# Allegro board FH8858v310_app_board_v1.1.brd (continued)
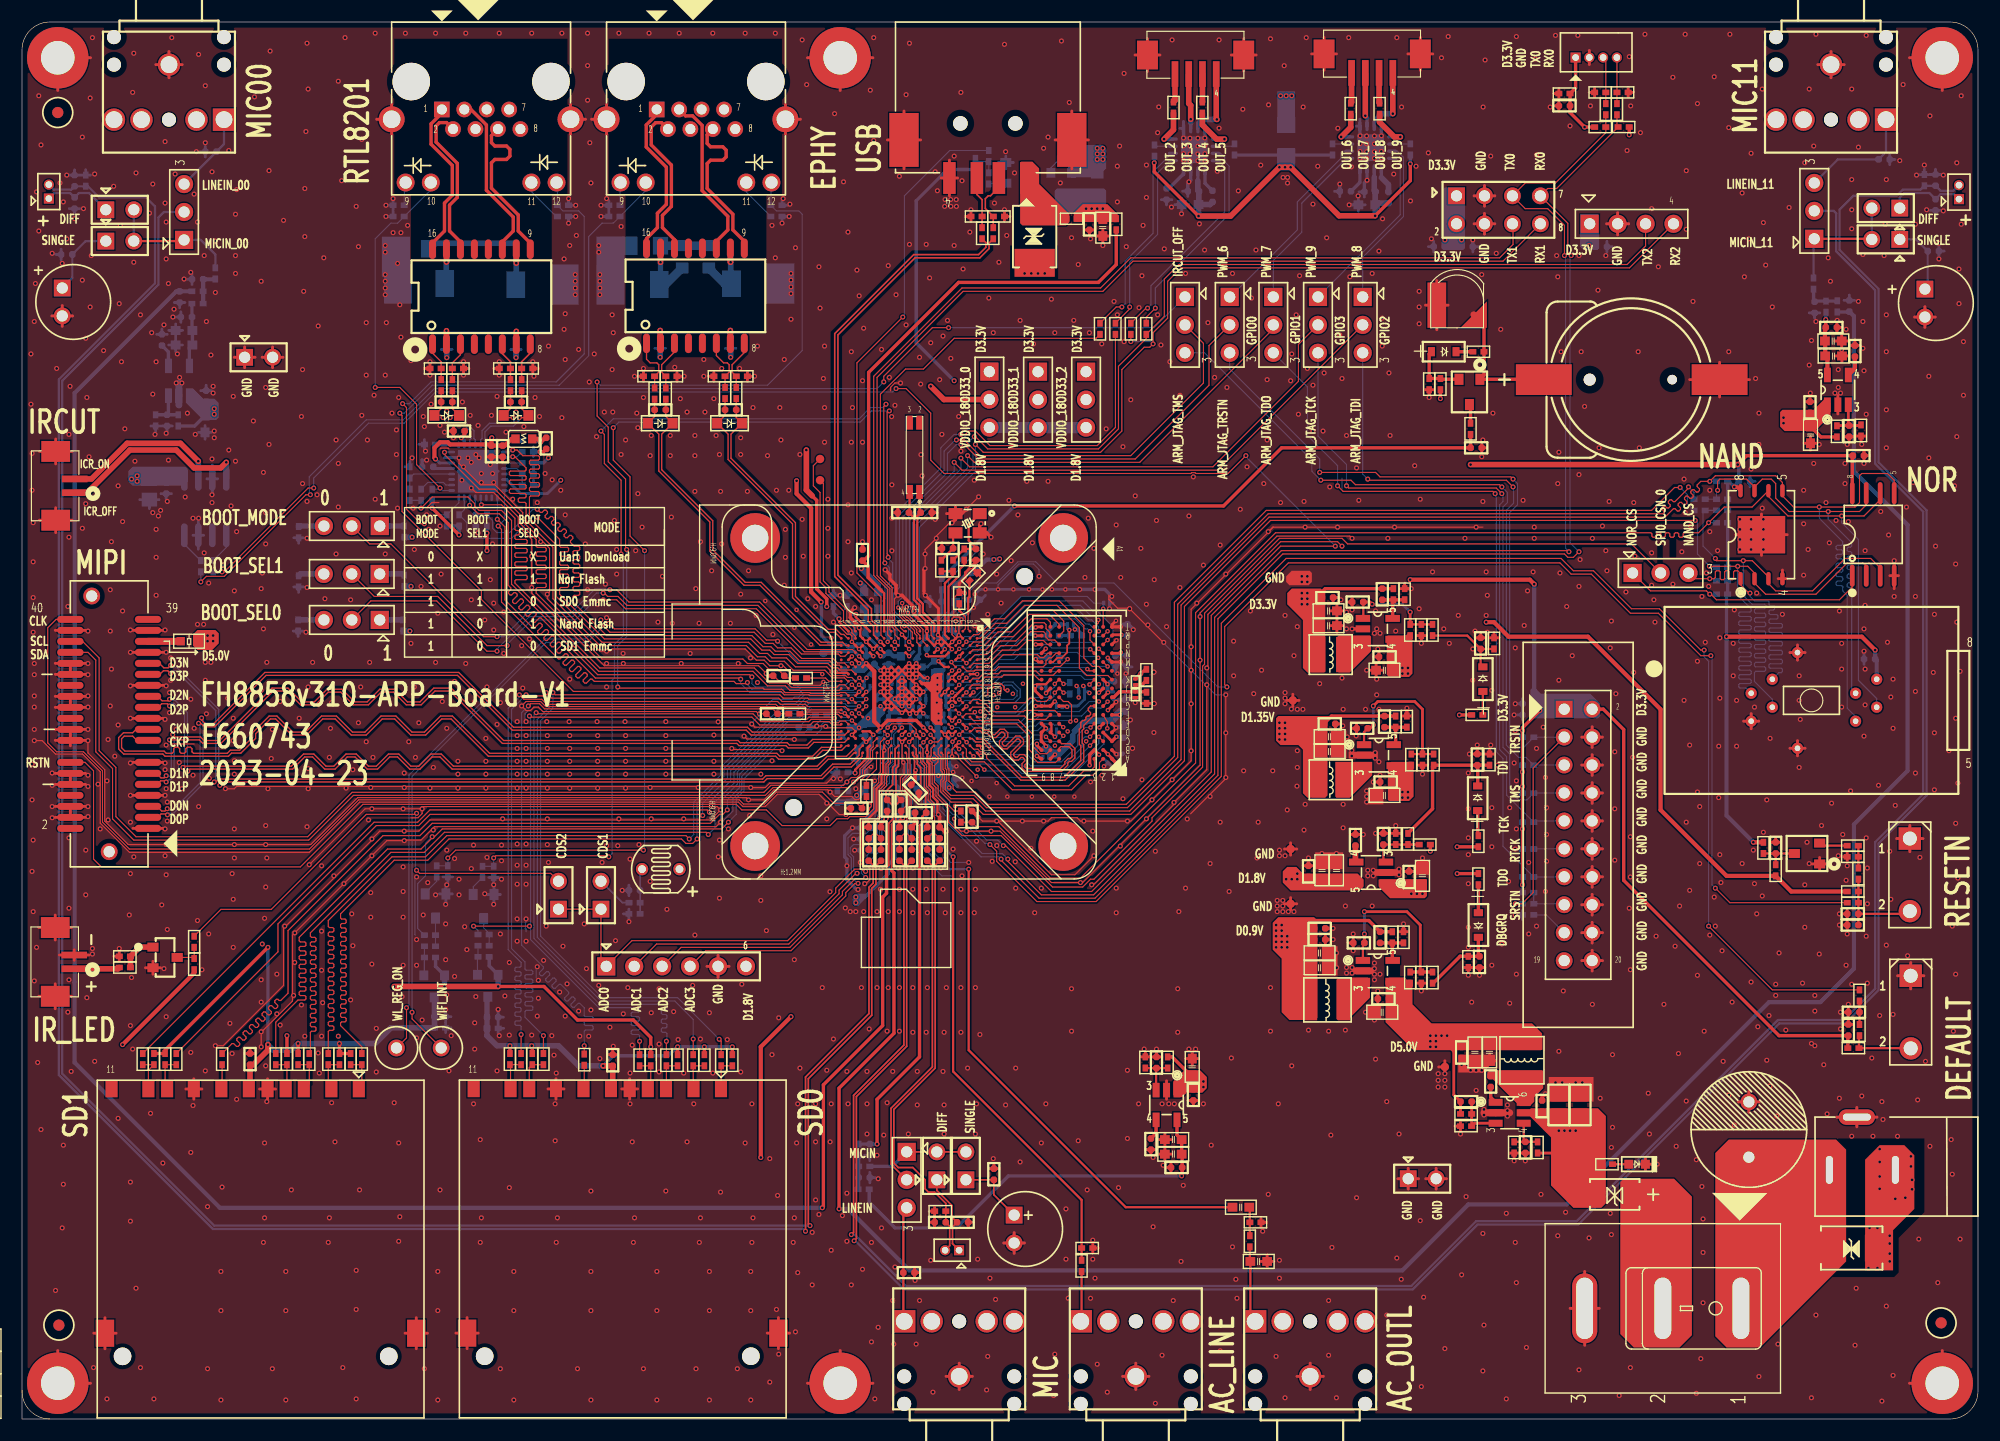
[diagram p0: board, top side]
## Routing (per net, layer and track width the routed paths; a pad name or vN(x,y) marks a point on that pad's centre or on a via; arc(x,y) is an arc through that point) (continued)
  vias: v1(67.56,74.37) v1(70.21,71.93) v1(70.41,73.56) v1(71.73,70.41) v1(73.56,71.02) v1(84.94,59.33) v1(86.31,58) v1(86.51,73.76) v1(86.87,59.03) v1(87.12,64.32) v1(87.94,56.58) v1(88.32,65.81) v1(88.65,64.71) v1(88.6,57.81) v1(89.56,56.58) v1(90.07,65.93) v1(90.27,64.71) v1(90.99,66.84) v1(91.8,56.58) v1(93.83,56.58) v1(93.89,61.21) v1(95.66,56.58) v1(95.81,63.5) v1(96.73,61.61) v1(96.78,62.47) v1(97.13,57.91) v1(97.13,57.91) v1(98.15,58.52) v1(98.15,58.52) v1(98.35,59.33) v2(0.81,96.82) v2(0.81,92.25) v2(0.91,87.78) v2(0.91,84.43) v2(0.91,59.54) v2(0.91,56.29) v2(0.91,49.78) v2(1.02,81.48) v2(1.02,77.93) v2(1.02,74.68) v2(1.02,71.53) v2(1.02,52.63) v2(1.02,46.13) v2(1.12,99.77) v2(1.12,68.68) v2(1.12,67.67) v2(1.12,65.74) v2(1.12,64.72) v2(1.12,62.69) v2(1.12,39.83) v2(1.22,103.23) v2(1.32,111.56) v2(1.32,42.88) v2(1.42,32.41) v2(1.52,120.29) v2(1.52,108) v2(1.73,115.82) v2(1.73,26.31) v2(2.74,105.97) v2(2.74,58.72) v2(2.74,57.61) v2(2.74,55.68) v2(2.74,54.66) v2(3.05,11.68) v2(3.15,95.5) v2(3.45,112.37) v2(3.66,105.05) v2(3.66,17.37) v2(3.76,110.64) v2(3.76,24.89) v2(3.76,21.34) v2(4.06,113.08) v2(4.06,107.29) v2(4.17,73.86) v2(4.17,36.98) v2(4.27,89.51) v2(4.27,80.16) v2(4.27,52.83) v2(4.27,46.43) v2(4.27,39.93) v2(4.37,93.88) v2(4.47,31.6) v2(4.78,109.12) v2(5.49,116.54) v2(5.49,103.53) v2(5.49,80.98) v2(5.59,110.03) v2(5.79,98.25) v2(5.79,83.21) v2(5.79,51.71) v2(5.79,47.65) v2(5.89,92.86) v2(5.89,38.3) v2(5.99,71.63) v2(5.99,68.68) v2(5.99,67.67) v2(5.99,65.74) v2(5.99,64.72) v2(5.99,62.69) v2(5.99,58.52) v2(5.99,57.51) v2(5.99,55.68) v2(5.99,54.76) v2(6.1,87.48) v2(6.2,120.09) v2(6.2,101.09) v2(6.3,105.77) v2(6.4,125.58) v2(6.4,42.77) v2(6.4,42.27) v2(6.5,4.67) v2(6.6,113.18) v2(6.6,32.51) v2(6.91,57.71) v2(7.11,53.64) v2(7.42,97.13) v2(7.72,58.01) v2(7.72,1.83) v2(7.82,61.77) v2(7.82,54.46) v2(8.03,75.39) v2(8.03,71.63) v2(8.03,64.82) v2(8.13,79.76) v2(8.13,68.17) v2(8.33,112.06) v2(8.43,60.25) v2(8.74,84.84) v2(8.74,63.09) v2(8.74,27.33) v2(8.84,101.4) v2(8.84,42.77) v2(8.94,108.51) v2(9.04,96.11) v2(9.14,81.58) v2(9.14,73.46) v2(9.35,90.02) v2(9.75,45.82) v2(9.86,71.73) v2(9.86,69.7) v2(9.86,66.65) v2(9.86,63.7) v2(9.86,59.64) v2(9.86,56.69) v2(9.86,54.25) v2(9.86,49.58) v2(9.86,35.76) v2(9.86,21.54) v2(9.86,17.98) v2(9.96,40.13) v2(10.06,120.6) v2(10.06,33.63) v2(10.16,124.16) v2(10.16,105.16) v2(10.16,51.1) v2(10.26,87.07) v2(10.36,113.28) v2(10.36,11.89) v2(10.77,100.38) v2(10.77,4.67) v2(11.58,109.63) v2(11.68,27.79) v2(11.79,98.76) v2(11.89,112.27) v2(11.89,93.17) v2(11.89,82.4) v2(11.99,1.83) v2(12.09,89.51) v2(12.19,96.11) v2(12.19,80.87) v2(12.19,78.33) v2(12.19,74.88) v2(12.4,82.09) v2(12.6,82.6) v2(12.7,46.74) v2(12.8,23.27) v2(12.9,99.47) v2(12.9,40.94) v2(13,116.13) v2(13,110.54) v2(13,71.73) v2(13,63.6) v2(13,59.64) v2(13,59.03) v2(13,56.69) v2(13,53.64) v2(13,51.21) v2(13.11,108.81) v2(13.11,105.46) v2(13.11,89.61) v2(13.11,69.7) v2(13.11,66.65) v2(13.11,61.26) v2(13.11,57.3) v2(13.11,49.48) v2(13.11,36.58) v2(13.21,83.41) v2(13.21,56.08) v2(13.21,54.36) v2(13.21,44.5) v2(13.31,103.23) v2(13.31,87.17) v2(13.41,66.04) v2(13.41,64.21) v2(13.51,69.19) v2(13.51,67.16) v2(13.61,125.58) v2(13.72,100.18) v2(13.82,100.89) v2(13.92,113.18) v2(14.02,94.18) v2(14.02,62.69) v2(14.12,96.82) v2(14.33,94.69) v2(14.53,94.18) v2(14.53,57.3) v2(14.73,103.63) v2(14.83,83.82) v2(15.04,91.44) v2(15.34,104.24) v2(15.34,65.43) v2(15.34,33.32) v2(15.34,24.23) v2(15.54,81.89) v2(15.54,58.52) v2(15.54,28.5) v2(15.65,111.35) v2(15.65,62.79) v2(15.75,89.51) v2(15.85,115.21) v2(15.95,108.81) v2(15.95,72.24) v2(15.95,45.31) v2(16.05,124.05) v2(16.05,81.89) v2(16.05,55.68) v2(16.36,40.84) v2(16.56,105.77) v2(16.56,78.74) v2(16.51,72.24) v2(16.66,121.21) v2(16.66,116.03) v2(16.66,68.78) v2(16.66,67.16) v2(16.66,31.65) v2(16.76,99.77) v2(16.76,64.11) v2(16.87,19.3) v2(16.87,4.57) v2(16.97,76) v2(16.97,44.09) v2(17.03,58.25) v2(17.17,96.72) v2(17.17,68.78) v2(17.27,113.39) v2(17.27,87.27) v2(17.27,84.02) v2(17.27,83.31) v2(17.37,93.88) v2(17.37,93.27) v2(17.48,89.81) v2(17.48,89.2) v2(17.58,107.09) v2(17.58,102.41) v2(18.08,13.41) v2(18.08,9.86) v2(18.08,1.73) v2(18.19,21.08) v2(18.29,77.62) v2(18.69,65.53) v2(18.8,115.32) v2(18.8,88.09) v2(18.9,35.97) v2(19,83.01) v2(19.1,49.58) v2(19.1,33.22) v2(19.2,92.96) v2(19.2,63.7) v2(19.2,61.67) v2(19.2,47.24) v2(19.2,42.88) v2(19.3,75.29) v2(19.3,59.84) v2(19.3,58.62) v2(19.3,53.64) v2(19.3,51) v2(19.41,109.52) v2(19.41,105.77) v2(19.41,104.14) v2(19.41,87.07) v2(19.51,111.76) v2(19.51,80.67) v2(19.51,29.06) v2(21.03,90.73) v2(21.13,120.19) v2(21.74,103.43) v2(21.74,75.49) v2(21.74,66.24) v2(21.74,39.93) v2(21.74,37.9) v2(21.74,35.2) v2(21.84,76.91) v2(21.84,43.18) v2(21.95,86.06) v2(21.95,71.83) v2(21.95,16.05) v2(22.05,45.52) v2(22.05,25.1) v2(22.05,18.29) v2(22.15,93.78) v2(22.15,82.4) v2(22.15,79.55) v2(22.15,53.95) v2(22.15,48.36) v2(22.15,32.11) v2(22.25,68.78) v2(22.25,51) v2(22.25,28.85) v2(22.35,57.3) v2(22.45,113.49) v2(22.45,88.6) v2(22.56,124.36) v2(22.66,60.05) v2(22.76,62.69) v2(22.76,4.57) v2(23.16,40.44) v2(23.16,36.83) v2(23.47,65.23) v2(23.47,35.81) v2(23.77,108.97) v2(23.88,44.81) v2(23.98,13.41) v2(23.98,9.86) v2(23.98,1.73) v2(24.49,20.83) v2(24.69,38.51) v2(24.79,41.5) v2(25.2,63.7) v2(25.4,91.14) v2(25.4,37.64) v2(25.5,95.4) v2(25.5,85.04) v2(25.6,102.51) v2(25.7,111.86) v2(25.7,107.49) v2(25.7,34.8) v2(25.81,117.04) v2(25.81,71.53) v2(25.91,125.07) v2(25.91,83.41) v2(25.91,80.06) v2(25.91,75.59) v2(25.91,53.85) v2(26.01,120.9) v2(26.01,66.55) v2(26.01,59.13) v2(26.01,57.3) v2(26.42,68.78) v2(26.82,84.02) v2(26.92,99.36) v2(26.92,33.27) v2(27.03,31.45) v2(27.23,50.29) v2(27.23,44.35) v2(27.23,40.79) v2(27.23,34.8) v2(27.33,37.85) v2(27.43,105.56) v2(27.53,74.57) v2(27.84,16.05) v2(27.94,60.15) v2(27.94,18.29) v2(28.04,62.79) v2(28.14,65.13) v2(28.14,28.75) v2(28.35,49.38) v2(28.45,25.2) v2(28.55,89) v2(28.55,78.64) v2(28.75,121.62) v2(28.75,86.87) v2(28.75,82.91) v2(28.75,34.8) v2(29.06,112.57) v2(29.16,4.67) v2(29.36,125.58) v2(29.46,57.35) v2(29.87,74.47) v2(29.87,38.1) v2(29.97,45.92) v2(30.07,59.03) v2(30.07,43.03) v2(30.38,110.24) v2(30.38,13.51) v2(30.38,9.96) v2(30.38,1.83) v2(30.58,106.58) v2(30.58,63.3) v2(30.68,20.83) v2(30.78,66.55) v2(30.89,116.33) v2(30.89,91.24) v2(31.29,99.67) v2(31.29,94.89) v2(31.29,61.57) v2(31.39,89) v2(31.5,54.46) v2(31.6,68.78) v2(31.7,57.4) v2(31.7,47.85) v2(31.7,45.62) v2(31.8,41.35) v2(31.9,60.15) v2(32,93.07) v2(32.11,125.98) v2(32.11,83.62) v2(32.21,35.51) v2(32.21,31.55) v2(33.02,106.68) v2(33.02,106.07) v2(33.02,104.04) v2(33.02,103.43) v2(33.02,102.82) v2(33.02,102.21) v2(33.02,94.89) v2(33.02,78.64) v2(33.08,110.34) v2(33.08,109.32) v2(33.12,99.67) v2(33.63,91.44) v2(33.73,110.95) v2(33.73,107.85) v2(33.83,28.75) v2(33.93,85.55) v2(34.04,89.92) v2(34.04,87.68) v2(34.14,105.05) v2(34.14,82.8) v2(34.24,92.86) v2(34.24,25.1) v2(34.24,16.15) v2(34.34,101.3) v2(34.34,18.39) v2(34.44,107.85) v2(34.44,98.35) v2(34.54,38.4) v2(34.65,50.19) v2(34.65,47.96) v2(34.65,45.62) v2(34.65,41.25) v2(34.75,58.72) v2(34.75,57.4) v2(34.85,125.98) v2(35.05,108.51) v2(35.15,61.57) v2(35.36,96.22) v2(35.36,70.51) v2(35.46,87.38) v2(35.56,82.8) v2(35.66,79.04) v2(35.66,66.55) v2(35.76,60.15) v2(35.86,43.59) v2(35.86,41.25) v2(35.86,34.65) v2(36.07,97.94) v2(36.07,63.3) v2(36.27,75.69) v2(36.37,36.27) v2(36.47,91.14) v2(36.47,45.82) v2(36.58,90.22) v2(36.58,4.57) v2(36.68,87.99) v2(36.78,87.17) v2(36.78,82.19) v2(36.88,48.77) v2(36.98,80.87) v2(37.08,96.11) v2(37.08,94.89) v2(37.08,57.35) v2(37.19,92.25) v2(37.39,59.23) v2(37.39,53.54) v2(37.59,125.98) v2(37.59,68.78) v2(37.59,47.65) v2(37.8,73.25) v2(37.8,13.41) v2(37.8,9.86) v2(37.8,1.73) v2(38,90.32) v2(38,81.18) v2(38,20.83) v2(38.1,76.81) v2(38.2,65.23) v2(38.4,89.71) v2(38.51,46.79) v2(38.51,45.01) v2(38.51,41.76) v2(38.51,37.24) v2(38.61,91.64) v2(38.61,62.79) v2(38.61,51.71) v2(38.61,48.56) v2(38.61,38.56) v2(38.81,31.65) v2(39.01,34.85) v2(39.32,67.06) v2(39.32,50.95) v2(39.32,40.23) v2(39.62,59.79) v2(39.62,58.62) v2(39.62,57.35) v2(39.73,49.07) v2(39.73,47.65) v2(40.03,92.46) v2(39.98,85.34) v2(40.13,96.11) v2(40.13,94.89) v2(40.13,86.56) v2(40.23,44.75) v2(40.34,125.98) v2(40.34,68.68) v2(40.44,42.67) v2(40.54,87.38) v2(40.74,91.24) v2(40.84,86.97) v2(40.84,74.47) v2(40.84,50.04) v2(41.05,52.17) v2(41.05,28.65) v2(41.15,65.23) v2(41.15,36.02) v2(41.15,33.63) v2(41.25,87.68) v2(41.25,38.4) v2(41.45,90.32) v2(41.55,87.38) v2(41.66,25.4) v2(41.66,16.05) v2(41.76,85.95) v2(41.76,85.14) v2(41.76,18.29) v2(42.06,72.64) v2(42.06,47.75) v2(42.16,61.87) v2(42.16,59.79) v2(42.16,58.62) v2(42.16,57.35) v2(42.27,66.55) v2(42.27,51.05) v2(42.57,86.77) v2(42.57,76.3) v2(42.67,91.24) v2(42.77,85.95) v2(42.77,79.55) v2(42.88,85.14) v2(42.88,74.17) v2(42.88,71.73) v2(42.88,48.56) v2(42.88,46.79) v2(43.18,92.96) v2(43.18,63.14) v2(43.18,31.65) v2(43.28,37.24) v2(43.38,125.98) v2(43.38,96.11) v2(43.38,94.89) v2(43.38,34.85) v2(43.48,65.13) v2(43.48,44.09) v2(43.48,4.57) v2(43.59,52.17) v2(43.59,50.75) v2(43.59,49.07) v2(43.69,54.56) v2(43.79,73.36) v2(43.79,69.6) v2(43.89,38.46) v2(43.99,89.71) v2(44.3,41.5) v2(44.3,34.9) v2(44.3,21.03) v2(44.6,83.62) v2(44.7,13.41) v2(44.7,9.86) v2(44.7,1.73) v2(44.91,91.54) v2(45.01,63.4) v2(45.01,62.13) v2(45.01,60.96) v2(45.01,59.79) v2(45.01,58.62) v2(45.01,57.35) v2(45.01,52.27) v2(45.01,50.34) v2(45.01,48.62) v2(45.01,45.47) v2(45.01,43.43) v2(45.42,70.31) v2(45.52,66.45) v2(45.62,90.22) v2(45.82,62.13) v2(45.82,60.96) v2(45.82,59.79) v2(45.82,58.62) v2(45.82,57.35) v2(45.82,52.27) v2(45.82,50.34) v2(45.82,48.62) v2(45.82,43.43) v2(46.13,70.92) v2(46.33,125.98) v2(46.33,34.9) v2(46.43,96.11) v2(46.53,94.79) v2(46.63,92.86) v2(46.84,83.31) v2(46.84,36.63) v2(46.94,39.88) v2(46.94,38.25) v2(47.04,91.14) v2(47.14,79.76) v2(47.41,41.69) v2(47.55,85.95) v2(47.65,44.81) v2(47.7,63.4) v2(47.75,62.13) v2(47.75,60.96) v2(47.75,59.79) v2(47.75,58.62) v2(47.75,57.35) v2(47.75,54.56) v2(47.75,52.22) v2(47.85,97.54) v2(47.85,50.6) v2(48.16,34.85) v2(48.19,85.38) v2(48.36,33.07) v2(48.46,28.65) v2(48.46,25.3) v2(48.56,31.45) v2(48.56,16.05) v2(48.67,18.29) v2(48.77,66.45) v2(48.87,38.81) v2(48.97,84.43) v2(49.07,125.98) v2(49.07,91.03) v2(49.17,42.98) v2(49.28,105.46) v2(49.28,99.06) v2(49.38,100.48) v2(49.38,96.32) v2(49.38,82.19) v2(49.38,36.63) v2(49.54,39.56) v2(49.68,110.95) v2(49.68,108.71) v2(49.73,63.4) v2(49.78,106.68) v2(49.78,67.26) v2(49.78,62.13) v2(49.78,60.96) v2(49.78,59.79) v2(49.78,58.62) v2(49.78,57.35) v2(50.33,110.34) v2(50.33,109.32) v2(50.29,104.04) v2(50.29,103.43) v2(50.29,102.82) v2(50.29,102.21) v2(50.39,107.59) v2(50.5,4.57) v2(50.6,97.23) v2(50.6,37.08) v2(50.7,34.8) v2(51.1,45.01) v2(51.21,79.55) v2(51.31,40.94) v2(51.41,125.98) v2(51.41,123.04) v2(51.41,119.89) v2(51.41,75.39) v2(51.56,94.27) v2(51.51,34.8) v2(51.61,116.03) v2(51.71,112.37) v2(51.71,37.19) v2(51.71,20.73) v2(51.71,13.41) v2(51.71,9.86) v2(51.71,1.73) v2(52.02,96.82) v2(52.22,89.31) v2(52.32,74.07) v2(52.27,63.4) v2(52.32,62.13) v2(52.32,60.96) v2(52.32,59.79) v2(52.32,58.62) v2(52.32,57.35) v2(52.43,106.68) v2(52.43,106.07) v2(52.43,39.42) v2(52.53,104.04) v2(52.53,103.43) v2(52.53,102.82) v2(52.53,102.21) v2(52.53,32.77) v2(52.63,110.34) v2(52.63,109.32) v2(52.73,50.6) v2(52.93,91.54) v2(53.04,75.9) v2(53.14,110.95) v2(53.14,72.85) v2(53.14,68.68) v2(53.14,66.55) v2(53.14,52.12) v2(53.44,35.61) v2(53.64,100.38) v2(53.64,95.4) v2(53.75,98.76) v2(53.7,91.54) v2(53.75,33.88) v2(53.85,81.69) v2(53.95,43.48) v2(54.05,79.04) v2(54.05,76.81) v2(54.15,52.12) v2(54.25,125.98) v2(54.25,54.56) v2(54.46,108.41) v2(54.46,87.68) v2(54.56,48.06) v2(54.64,69.6) v2(54.66,68.68) v2(54.66,36.83) v2(54.86,89) v2(54.81,63.4) v2(54.86,62.13) v2(54.86,60.96) v2(54.86,59.79) v2(54.86,58.62) v2(54.86,57.35) v2(55.07,39.22) v2(55.17,45.21) v2(55.27,50.9) v2(55.27,31.45) v2(55.27,28.65) v2(55.47,33.99) v2(55.47,25.2) v2(55.58,97.74) v2(55.58,16.05) v2(55.68,94.79) v2(55.68,18.29) v2(55.78,78.94) v2(55.88,91.44) v2(55.98,90.12) v2(55.98,84.12) v2(56.08,52.22) v2(56.37,81.08) v2(56.49,95.5) v2(56.49,92.86) v2(56.49,4.57) v2(57,125.98) v2(57.1,87.58) v2(57.1,57.4) v2(57.1,48.87) v2(57.2,89.41) v2(57.2,54.56) v2(57.2,36.93) v2(57.71,13.41) v2(57.71,9.86) v2(57.71,1.73) v2(57.81,72.44) v2(57.91,39.12) v2(57.91,34.09) v2(57.91,31.55) v2(58.22,76.61) v2(58.52,63.4) v2(58.52,62.13) v2(58.52,60.96) v2(58.52,59.79) v2(58.52,58.62) v2(58.52,20.73) v2(58.62,46.33) v2(58.93,89.41) v2(58.93,87.58) v2(59.03,81.99) v2(59.11,72.34) v2(59.23,37.03) v2(59.33,95.61) v2(59.64,34.49) v2(59.74,125.98) v2(59.84,92.76) v2(59.92,68.68) v2(60.15,54.56) v2(60.15,31.45) v2(60.19,94.79) v2(60.45,91.54) v2(60.45,25.2) v2(60.74,69.6) v2(60.96,39.42) v2(61.06,28.65) v2(61.16,89.41) v2(61.16,87.58) v2(61.16,84.33) v2(61.16,43.99) v2(61.24,75.49) v2(61.26,4.57) v2(61.47,57.4) v2(61.55,72.34) v2(61.57,16.05) v2(61.67,79.76) v2(61.67,34.54) v2(61.67,18.29) v2(61.98,96.32) v2(61.98,94.79) v2(62.08,91.54) v2(62.48,36.93) v2(62.48,13.41) v2(62.48,9.86) v2(62.48,1.73) v2(62.69,77.11) v2(62.79,125.98) v2(62.79,31.45) v2(62.89,92.76) v2(62.89,62.18) v2(62.89,59.79) v2(62.89,58.62) v2(63.09,89.41) v2(63.28,63.38) v2(63.3,51.1) v2(63.4,87.68) v2(63.4,52.63) v2(63.4,47.35) v2(63.5,84.33) v2(63.5,20.62) v2(63.6,95.5) v2(63.6,79.55) v2(64.11,34.49) v2(64.39,72.34) v2(65.02,4.57) v2(65.11,68.68) v2(65.23,95.5) v2(65.33,89.2) v2(65.33,87.68) v2(65.33,74.98) v2(65.33,31.55) v2(65.43,39.52) v2(65.74,125.98) v2(65.74,25.1) v2(65.94,84.33) v2(66.04,77.11) v2(66.14,54.86) v2(66.22,69.19) v2(66.24,13.41) v2(66.24,9.86) v2(66.24,1.73) v2(66.34,28.65) v2(66.34,16.05) v2(66.45,91.95) v2(66.45,18.29) v2(66.59,94.79) v2(66.73,73.05) v2(66.85,97.54) v2(66.85,66.95) v2(67.16,49.38) v2(67.16,47.14) v2(67.67,44.4) v2(67.77,87.58) v2(67.97,23.67) v2(67.97,3.35) v2(68.17,108.51) v2(68.25,71.32) v2(68.17,33.12) v2(68.48,125.98) v2(68.48,105.56) v2(68.58,84.43) v2(68.58,9.96) v2(68.68,20.32) v2(68.78,36.47) v2(68.78,5.89) v2(68.88,91.95) v2(68.99,89) v2(69.09,108.71) v2(69.19,110.95) v2(69.29,96.32) v2(69.29,75.79) v2(69.39,80.87) v2(69.39,78.33) v2(69.74,109.32) v2(69.7,84.43) v2(69.8,110.44) v2(69.9,104.14) v2(69.9,103.53) v2(69.9,102.92) v2(69.9,102.31) v2(69.9,99.97) v2(70.1,16.05) v2(70.21,41.76) v2(70.21,18.29) v2(70.31,106.48) v2(70.31,7.92) v2(70.41,25.1) v2(70.51,28.65) v2(70.51,13.31) v2(70.71,87.68) v2(70.71,31.9) v2(70.92,125.37) v2(70.92,81.79) v2(71.02,78.44) v2(71.32,121.31) v2(71.42,74.57) v2(71.83,16.97) v2(71.83,12.19) v2(72.14,73.86) v2(72.14,28.65) v2(72.14,25.2) v2(72.14,19.91) v2(72.44,104.75) v2(72.44,18.59) v2(72.54,100.99) v2(72.75,39.22) v2(72.85,94.59) v2(72.95,97.54) v2(72.95,91.95) v2(72.95,88.8) v2(73.15,54.56) v2(73.15,31.7) v2(73.25,83.62) v2(73.25,80.98) v2(73.25,78.44) v2(73.46,25.2) v2(73.56,28.65) v2(73.56,15.34) v2(73.76,34.54) v2(73.86,118.67) v2(74.39,58.19) v2(74.57,18.49) v2(74.68,112.47) v2(74.84,46.46) v2(74.98,31.6) v2(74.98,20.52) v2(74.98,16.15) v2(75.08,107.9) v2(75.08,83.11) v2(75.08,79.76) v2(75.08,28.65) v2(75.29,46.13) v2(75.39,97.03) v2(75.39,88.8) v2(75.39,76.91) v2(75.39,12.19) v2(75.49,91.95) v2(75.79,57.3) v2(75.79,46.13) v2(75.9,104.44) v2(76.1,102.11) v2(76.3,39.22) v2(76.4,94.39) v2(76.4,88.8) v2(76.4,13.61) v2(76.5,99.16) v2(76.5,46.13) v2(76.81,31.6) v2(76.81,28.65) v2(76.81,25.91) v2(77.01,35.46) v2(77.11,120.8) v2(77.22,74.47) v2(77.22,16.05) v2(77.22,7.01) v2(77.42,125.58) v2(77.42,116.23) v2(77.52,1.83) v2(77.72,46.13) v2(77.72,39.22) v2(77.72,23.98) v2(77.83,21.84) v2(77.83,8.33) v2(78.03,48.16) v2(78.13,97.23) v2(78.13,17.37) v2(78.33,25.81) v2(78.64,35.26) v2(78.64,28.75) v2(78.74,104.85) v2(78.74,46.13) v2(78.74,39.22) v2(78.84,94.69) v2(79.05,91.12) v2(79.07,84.93) v2(79.07,81.89) v2(79.07,78.94) v2(79.15,31.6) v2(79.15,10.77) v2(79.25,6.81) v2(79.35,92.15) v2(79.35,13.82) v2(79.45,102.21) v2(79.76,112.98) v2(79.76,48.16) v2(79.76,46.13) v2(79.76,39.22) v2(79.76,35.26) v2(79.86,94.18) v2(80.37,120.4) v2(80.37,99.47) v2(80.57,25.91) v2(80.67,125.07) v2(80.67,106.78) v2(80.98,48.16) v2(80.98,46.02) v2(80.98,39.22) v2(80.98,35.15) v2(81.18,12.6) v2(81.28,6.81) v2(81.38,31.6) v2(81.38,28.55) v2(81.58,96.52) v2(81.58,10.77) v2(81.69,94.08) v2(81.71,87.67) v2(81.81,85.74) v2(82.19,106.78) v2(82.19,48.16) v2(82.19,35.15) v2(82.3,46.02) v2(82.3,39.22) v2(82.5,103.73) v2(82.6,97.84) v2(82.6,14.43) v2(82.8,2.44) v2(83.01,113.39) v2(83.01,81.79) v2(83.21,111.66) v2(83.41,94.49) v2(83.62,89.51) v2(83.72,98.45) v2(83.72,48.16) v2(83.72,31.6) v2(83.82,35.15) v2(83.82,28.55) v2(83.82,25.91) v2(83.91,110.86) v2(83.87,110.24) v2(83.92,46.02) v2(84.02,53.44) v2(84.02,39.22) v2(84.12,99.87) v2(84.41,110.86) v2(84.43,110.24) v2(84.43,96.42) v2(84.63,51.82) v2(84.73,114.81) v2(84.73,106.68) v2(84.92,110.86) v2(84.94,110.24) v2(85.14,91.14) v2(85.34,120.6) v2(85.34,87.99) v2(85.34,48.16) v2(85.34,46.02) v2(85.34,39.22) v2(85.34,35.15) v2(85.45,112.57) v2(85.45,49.38) v2(85.55,104.55) v2(85.95,31.9) v2(86.16,107.9) v2(86.26,109.93) v2(86.56,85.34) v2(86.56,46.02) v2(86.66,48.16) v2(86.66,39.22) v2(86.66,25.91) v2(86.77,52.53) v2(86.77,28.65) v2(86.87,14.53) v2(87.07,34.95) v2(87.68,2.64) v2(87.78,73.15) v2(87.78,5.69) v2(87.88,101.9) v2(87.99,12.8) v2(88.19,50.7) v2(88.29,98.76) v2(88.29,23.67) v2(88.39,110.54) v2(88.49,10.87) v2(88.6,76.81) v2(88.61,52.14) v2(88.8,105.16) v2(89,74.17) v2(89.31,124.97) v2(89.31,109.93) v2(89.41,115.21) v2(89.41,28.55) v2(89.51,107.59) v2(89.71,83.52) v2(89.92,78.03) v2(90.22,113.28) v2(90.29,50.66) v2(90.32,48.26) v2(90.32,31.9) v2(90.53,82.19) v2(90.73,99.87) v2(90.73,23.37) v2(91.14,104.14) v2(91.34,85.24) v2(91.74,104.14) v2(91.71,51.88) v2(91.85,79.65) v2(91.95,97.74) v2(92.05,46.02) v2(92.35,104.14) v2(92.66,48.26) v2(92.66,25.1) v2(92.86,115.52) v2(92.96,104.14) v2(93.07,28.65) v2(93.27,116.54) v2(93.27,85.24) v2(93.57,101.8) v2(93.78,2.13) v2(93.88,98.76) v2(93.88,5.89) v2(94.39,112.37) v2(94.49,125.27) v2(94.89,19.1) v2(94.89,14.53) v2(95.1,10.97) v2(95.2,119.68) v2(95.4,107.39) v2(95.4,39.12) v2(95.4,35.26) v2(95.61,99.87) v2(96.01,104.95) v2(96.01,25.3) v2(96.62,76.5) v2(96.82,20.83) v2(96.93,81.89) v2(97.03,98.76) v2(97.13,107.29) v2(97.13,10.97) v2(97.33,53.44) v2(97.33,16.26) v2(97.33,14.53) v2(97.43,79.15) v2(97.54,12.8) v2(97.74,4.98) v2(98.15,97.74) v2(98.25,106.68) v2(98.55,90.02) v2(98.65,2.44) v2(98.86,73.66) v2(99.26,101.6) v2(99.47,81.28) v2(99.47,48.26) v2(99.47,46.02) v2(99.57,113.89) v2(99.57,110.64) v2(99.57,100.38) v2(99.67,21.03) v2(99.77,115.72) v2(99.84,52.09) v2(99.87,76.5) v2(100.08,88.39) v2(100.08,56.39) v2(100.18,122.33) v2(100.18,97.94) v2(100.38,106.58) v2(100.48,31.7) v2(100.48,25.5) v2(100.79,92.66) v2(100.93,60.98) v2(100.94,60.97) v2(101.19,83.92) v2(101.54,101.03) v2(101.5,28.65) v2(101.7,79.15) v2(101.8,103.94) v2(101.8,58.12) v2(101.9,108.51) v2(102.01,33.63) v2(102.21,114) v2(102.21,111.05) v2(102.21,74.07) v2(102.34,72.19) v2(102.82,23.77) v2(102.82,17.48) v2(102.92,76.3) v2(102.89,67.89) v2(102.89,67.89) v2(102.89,62.41) v2(103.02,51.61) v2(103.02,1.42) v2(103.12,81.69) v2(103.12,33.63) v2(103.23,116.94) v2(103.23,100.38) v2(103.33,119.28) v2(103.53,97.64) v2(103.63,28.65) v2(103.63,5.79) v2(103.73,23.06) v2(103.84,106.38) v2(104.04,72.03) v2(104.24,28.65) v2(104.34,96.11) v2(104.55,125.37) v2(104.48,110.17) v2(104.65,10.77) v2(104.75,28.65) v2(105.05,39.12) v2(105.05,35.15) v2(105.16,46.13) v2(105.26,93.07) v2(105.26,75.59) v2(105.36,14.33) v2(105.4,109.56) v2(105.56,21.23) v2(105.58,115.74) v2(105.58,115.03) v2(105.58,114.42) v2(105.77,104.14) v2(105.77,48.26) v2(105.92,54.55) v2(106.07,82.09) v2(106.07,33.63) v2(106.17,116.43) v2(106.17,115.72) v2(106.17,115.01) v2(106.48,85.65) v2(106.68,33.63) v2(106.78,74.17) v2(106.88,116.43) v2(106.88,115.72) v2(106.88,115.01) v2(106.88,114.4) v2(107.02,108.65) v2(107.39,77.62) v2(107.39,28.65) v2(107.51,115.74) v2(107.51,115.03) v2(107.51,114.42) v2(107.49,106.27) v2(107.8,99.67) v2(108,56.59) v2(108,50.5) v2(108.1,24.89) v2(108.41,94.69) v2(108.65,113.43) v2(108.81,125.37) v2(108.81,117.35) v2(108.92,79.45) v2(108.92,54.25) v2(108.92,6.2) v2(109.32,89) v2(109.42,76.81) v2(109.52,93.78) v2(109.73,47.96) v2(109.93,32.82) v2(110.03,104.14) v2(110.03,15.65) v2(110.13,70.71) v2(110.13,67.56) v2(110.34,12.7) v2(110.44,10.97) v2(110.57,111.65) v2(110.74,82.7) v2(110.97,119.07) v2(111.05,58.93) v2(111.35,86.56) v2(111.66,73.46) v2(111.76,101.9) v2(111.96,65.94) v2(112.17,106.27) v2(112.27,51) v2(112.37,54.25) v2(112.6,113.99) v2(112.67,68.07) v2(112.78,17.07) v2(112.88,85.04) v2(113.18,94.49) v2(113.18,89) v2(113.31,119.47) v2(113.28,20.42) v2(113.49,125.48) v2(113.49,39.22) v2(113.49,35.26) v2(113.69,58.93) v2(114,5.69) v2(114.1,47.14) v2(114.1,46.63) v2(114.1,46.13) v2(114.2,28.65) v2(114.3,51.71) v2(114.3,51.21) v2(114.3,14.43) v2(114.3,12.8) v2(114.4,83.31) v2(114.63,112.87) v2(114.6,47.14) v2(114.6,46.63) v2(114.6,46.13) v2(114.73,123.03) v2(114.81,73.05) v2(114.81,66.04) v2(114.81,65.53) v2(114.81,65.02) v2(114.81,51.21) v2(114.81,1.93) v2(115.04,112.87) v2(115.04,112.36) v2(115.01,55.37) v2(115.11,46.13) v2(115.32,94.39) v2(115.42,96.82) v2(115.39,64.54) v2(115.42,32.11) v2(115.62,69.39) v2(115.62,46.13) v2(115.82,100.38) v2(115.93,72.03) v2(115.93,64.52) v2(115.93,60.76) v2(115.93,59.23) v2(115.89,57.53) v2(116.03,91.34) v2(116.13,103.94) v2(116.33,76.61) v2(116.33,76.1) v2(116.46,119.27) v2(116.43,64.52) v2(116.54,83.41) v2(116.54,53.54) v2(116.64,55.88) v2(116.74,125.58) v2(116.84,95.5) v2(116.84,76.61) v2(116.84,76.1) v2(116.94,35.36) v2(117.35,110.44) v2(117.35,93.98) v2(117.35,89.81) v2(117.78,113.89) v2(117.96,66.85) v2(118.26,89.81) v2(118.36,95.1) v2(118.59,107.38) v2(118.77,35.26) v2(118.77,10.77) v2(118.77,5.79) v2(118.87,84.73) v2(118.97,25.81) v2(119.08,15.6) v2(119.48,1.93) v2(119.61,117.34) v2(119.79,98.55) v2(119.89,74.47) v2(119.99,94.59) v2(119.99,67.36) v2(120.06,63.02) v2(120.09,64.52) v2(120.09,55.88) v2(120.09,53.75) v2(120.29,46.63) v2(120.29,35.36) v2(120.4,89.41) v2(120.4,73.36) v2(120.4,72.64) v2(120.4,71.83) v2(120.47,62) v2(120.4,41.05) v2(120.4,40.54) v2(120.6,125.58) v2(120.7,103.84) v2(120.84,113.83) v2(120.9,73.56) v2(120.87,60.78) v2(120.87,60.27) v2(120.9,41.05) v2(120.9,40.54) v2(121.01,44.09) v2(121.01,42.57) v2(121.31,86.46) v2(121.28,62.1) v2(121.31,20.12) v2(121.45,111.19) v2(121.51,83.52) v2(121.64,116.66) v2(121.64,115.95) v2(121.64,115.24) v2(121.64,114.63) v2(121.92,53.14) v2(122.12,64.52) v2(122.12,36.98) v2(122.22,116.64) v2(122.22,115.93) v2(122.22,115.21) v2(122.22,68.07) v2(122.22,57.1) v2(122.22,56.59) v2(122.22,56.08) v2(122.33,49.89) v2(122.33,49.38) v2(122.73,104.14) v2(122.73,46.63) v2(122.83,57.91) v2(122.83,49.38) v2(122.94,116.64) v2(122.94,115.21) v2(122.94,114.6) v2(122.94,71.42) v2(122.94,41.45) v2(122.94,40.94) v2(122.94,40.44) v2(122.94,39.93) v2(122.94,36.27) v2(123.04,73.46) v2(123.01,60.58) v2(123.01,60.07) v2(123.04,53.24) v2(123.04,32.72) v2(123.14,71.83) v2(123.14,67.26) v2(123.14,65.84) v2(123.24,70) v2(123.24,38.91) v2(123.34,106.17) v2(123.34,64.52) v2(123.34,59.74) v2(123.44,71.42) v2(123.44,58.52) v2(123.44,40.44) v2(123.57,115.95) v2(123.57,115.24) v2(123.57,114.63) v2(123.65,100.08) v2(123.65,97.54) v2(123.67,109.11) v2(124.05,28.85) v2(124.05,9.45) v2(124.16,80.06) v2(124.26,95.1) v2(124.36,89.41) v2(124.56,5.99) v2(124.69,113.17) v2(124.87,71.63) v2(124.97,125.58) v2(124.97,14.63) v2(125.17,25.91) v2(125.4,119.27) v2(125.37,12.7) v2(126.21,110.74) v2(126.59,86.66) v2(126.72,113.89) v2(127,102.51) v2(127,101.09) v2(127,99.57) v2(127,73.66) v2(127.1,83.62) v2(127.1,18.03) v2(127.2,70.51) v2(127.2,2.95) v2(127.3,58.62) v2(127.41,11.07) v2(127.84,115.1) v2(128.12,107.29) v2(128.22,77.01) v2(128.73,31.39) v2(128.73,30.78) v2(128.73,30.18) v2(129.03,123.75) v2(129.24,71.83) v2(129.34,31.39) v2(129.34,30.78) v2(129.34,30.18) v2(129.34,6.4) v2(129.64,125.68) v2(129.74,70.51) v2(130.56,73.05) v2(130.76,25.91) v2(130.86,32.21) v2(130.86,13.11) v2(131.17,80.06) v2(131.27,20.22) v2(131.37,32.21) v2(131.47,58.72) v2(131.47,55.47) v2(131.47,52.83) v2(131.47,51.31) v2(131.47,48.67) v2(131.47,44.7) v2(131.47,42.88) v2(131.47,40.34) v2(131.57,60.45) v2(131.67,31.7) v2(131.78,37.9) v2(131.88,70) v2(131.88,67.16) v2(132.08,71.63) v2(132.18,31.7) v2(132.18,29.87) v2(132.28,61.26) v2(132.49,40.34) v2(132.69,104.04) v2(132.69,87.48) v2(132.69,31.7) v2(132.82,119.27) v2(132.79,89) v2(132.79,83.41) v2(132.79,16.87) v2(132.79,4.37) v2(132.89,28.14) v2(132.89,27.64) v2(132.89,8.53) v2(132.99,123.55) v2(133.1,77.01) v2(133.1,73.05) v2(133.2,74.88) v2(133.2,71.53) v2(133.5,114.81) v2(133.5,61.26) v2(133.6,66.24) v2(133.6,55.58) v2(133.6,52.02) v2(133.6,41.25) v2(133.71,91.44) v2(134.01,105.97) v2(134.11,59.44) v2(134.42,99.06) v2(134.52,43.18) v2(134.92,18.69) v2(134.92,1.83) v2(135.03,28.55) v2(135.03,28.04) v2(135.03,27.53) v2(135.13,48.87) v2(135.23,55.58) v2(135.23,37.8) v2(135.64,64.01) v2(135.64,59.64) v2(135.64,23.47) v2(135.74,70.1) v2(135.74,65.02) v2(135.74,62.59) v2(135.74,51.82) v2(135.74,45.82) v2(135.74,16.05) v2(135.84,125.68) v2(135.84,58.01) v2(135.84,53.64) v2(135.84,40.44) v2(135.84,12.4) v2(136.45,83.52) v2(136.55,72.14) v2(136.65,23.47) v2(136.75,6.5) v2(136.86,75.29) v2(136.96,50.6) v2(136.96,44.09) v2(137.36,77.01) v2(137.46,81.08) v2(137.46,80.06) v2(137.57,123.65) v2(137.67,114.91) v2(137.67,60.96) v2(137.67,44.81) v2(138.07,20.42) v2(138.28,62.89) v2(138.48,58.32) v2(138.48,47.96) v2(138.58,55.58) v2(138.58,53.14) v2(138.58,50.7) v2(138.91,119.27) v2(139.4,125.78) v2(139.4,30.58) v2(139.5,105.77) v2(139.6,103.84) v2(139.6,85.04) v2(139.6,16.66) v2(139.7,87.88) v2(139.7,67.16) v2(139.7,33.43) v2(139.8,76.91) v2(139.9,97.03) v2(140,30.58) v2(140.11,38.91) v2(140.31,18.8) v2(140.41,73.86) v2(140.72,117.55) v2(140.92,69.39) v2(141.22,30.58) v2(141.43,125.78) v2(141.53,85.85) v2(141.53,75.69) v2(141.53,4.47) v2(141.63,78.13) v2(141.73,97.03) v2(141.83,30.58) v2(142.04,92.05) v2(142.44,16.46) v2(142.57,119.37) v2(142.75,80.06) v2(142.75,37.69) v2(143.26,102.62) v2(143.36,88.29) v2(143.46,29.16) v2(143.66,81.18) v2(143.97,105.77) v2(143.97,78.94) v2(144.07,77.11) v2(144.27,83.41) v2(144.37,70.1) v2(144.37,18.69) v2(144.48,72.54) v2(144.48,24.69) v2(144.48,16.76) v2(144.58,33.12) v2(144.58,26.52) v2(144.78,60.66) v2(144.78,55.47) v2(144.78,50.8) v2(144.88,65.94) v2(145.19,2.13) v2(145.8,75.18) v2(145.9,115.32) v2(146.1,123.85) v2(146.1,46.43) v2(146.23,119.37) v2(146.2,52.93) v2(146.2,49.28) v2(146.2,40.84) v2(146.2,4.67) v2(146.41,60.15) v2(146.51,83.31) v2(146.51,67.87) v2(146.61,78.44) v2(146.91,97.03) v2(147.02,88.29) v2(147.12,116.94) v2(147.52,125.88) v2(147.83,29.62) v2(147.93,25.91) v2(148.13,110.03) v2(148.13,78.74) v2(148.13,75.79) v2(148.34,74.47) v2(148.44,72.44) v2(148.54,43.89) v2(148.64,23.16) v2(148.74,104.75) v2(149.25,37.69) v2(150.06,121.97) v2(150.06,75.9) v2(150.27,42.98) v2(150.37,24.79) v2(150.57,33.22) v2(150.67,46.63) v2(150.88,78.84) v2(151.08,85.45) v2(151.08,65.33) v2(151.18,125.88) v2(151.18,82.4) v2(151.28,113.49) v2(151.28,108.15) v2(151.28,54.25) v2(151.28,28.91) v2(151.59,61.26) v2(151.59,48.06) v2(151.69,81.18) v2(151.89,101.6) v2(152.2,23.57) v2(152.2,2.34) v2(152.3,119.58) v2(152.3,68.88) v2(152.3,57) v2(152.3,40.34) v2(152.5,55.68) v2(152.5,50.5) v2(152.6,5.49) v2(152.7,74.78) v2(152.7,21.13) v2(152.81,18.19) v2(152.81,15.14) v2(152.81,10.57) v2(152.91,35.26) v2(153.01,70.61) v2(153.11,76.91) v2(153.31,75.69) v2(153.42,84.43) v2(153.42,80.67) v2(153.42,43.99) v2(153.82,122.02) v2(153.82,47.45) v2(153.92,44.81) v2(154.13,78.94) v2(154.23,61.16) v2(154.23,56.49) v2(154.33,71.02) v2(154.33,65.53) v2(154.33,51.31) v2(154.43,48.77) v2(154.53,42.57) v2(154.64,32.51) v2(155.14,117.4) v2(155.14,97.03) v2(155.14,29.46) v2(155.24,125.88) v2(155.45,37.9) v2(155.55,70.51) v2(155.55,67.56) v2(155.65,73.56) v2(155.65,26.72) v2(155.75,87.68) v2(155.85,65.33) v2(155.85,61.16) v2(156.16,81.79) v2(156.16,80.87) v2(156.16,79.96) v2(156.16,79.04) v2(156.36,111.46) v2(156.36,50.5) v2(156.57,103.84) v2(156.97,107.29) v2(157.18,115.06) v2(157.18,86.36) v2(157.18,81.79) v2(157.18,80.87) v2(157.18,79.96) v2(157.18,79.04) v2(157.18,39.73) v2(157.38,51.71) v2(157.48,64.72) v2(157.48,48.67) v2(157.58,94.59) v2(157.68,75.08) v2(157.68,45.92) v2(157.78,35.66) v2(157.89,91.44) v2(157.89,88.6) v2(157.89,3.86) v2(158.19,120.9) v2(158.19,82.8) v2(158.19,47.55) v2(158.29,108.76) v2(158.29,81.79) v2(158.29,80.87) v2(158.29,79.96) v2(158.29,79.04) v2(158.29,53.34) v2(158.5,104.9) v2(158.6,56.29) v2(158.6,32.61) v2(158.8,36.68) v2(158.9,61.87) v2(158.9,30.28) v2(159.11,101.09) v2(159.41,39.52) v2(159.41,38.51) v2(159.51,27.53) v2(159.61,6.81) v2(159.72,42.37) v2(160.02,73.15) v2(160.32,35.36) v2(160.63,110.13) v2(161.54,67.56) v2(161.54,65.33) v2(161.54,59.23) v2(161.65,63.6) v2(161.85,39.62) v2(161.95,84.43) v2(161.95,81.38) v2(161.95,76.71) v2(162.05,114.2) v2(162.05,48.56) v2(162.05,44.7) v2(162.26,52.43) v2(162.36,79.04) v2(162.46,120.9) v2(162.46,95.81) v2(162.46,50.5) v2(162.56,93.27) v2(162.66,98.04) v2(162.66,34.14) v2(162.66,1.93) v2(162.86,115.72) v2(162.86,86.87) v2(162.97,38.51) v2(162.97,37.08) v2(162.97,33.93) v2(163.07,125.88) v2(163.07,99.77) v2(163.07,9.45) v2(163.37,88.6) v2(163.37,42.27) v2(163.58,53.95) v2(163.78,32.21) v2(163.98,83.31) v2(164.08,27.74) v2(164.19,105.56) v2(164.29,79.65) v2(164.39,103.43) v2(164.49,55.98) v2(164.8,93.27) v2(164.9,81.69) v2(165,99.87) v2(165.1,95.4) v2(165.1,93.78) v2(165.1,51.21) v2(165.2,73.46) v2(165.2,45.92) v2(165.2,44.91) v2(165.2,29.16) v2(165.3,93.27) v2(165.3,36.98) v2(165.3,35.46) v2(165.4,97.23) v2(165.4,70.51) v2(165.4,68.17) v2(165.4,64.72) v2(165.51,53.14) v2(165.71,86.87) v2(165.71,85.04) v2(165.81,99.06) v2(165.81,48.97) v2(165.81,41.25) v2(165.91,88.6) v2(165.91,50.29) v2(165.91,44.09) v2(166.01,81.58) v2(166.01,37.69) v2(166.22,57.1) v2(166.32,120.9) v2(166.32,112.67) v2(166.32,109.93) v2(166.32,108.2) v2(166.32,39.52) v2(166.32,25.7) v2(166.62,6.71) v2(166.73,11.89) v2(166.93,115.62) v2(166.93,101.6) v2(167.23,88.6) v2(167.23,29.36) v2(167.34,105.87) v2(167.34,99.77) v2(167.34,97.33) v2(167.44,95.3) v2(167.44,86.87) v2(167.44,71.83) v2(167.44,69.8) v2(167.44,62.08) v2(167.54,78.94) v2(167.54,73.96) v2(167.54,68.17) v2(167.54,64.92) v2(167.64,125.78) v2(167.64,91.34) v2(167.64,52.83) v2(167.64,43.89) v2(167.74,50.09) v2(167.74,46.84) v2(167.74,39.62) v2(167.84,13.72) v2(167.94,17.37) v2(168.15,32.82) v2(168.25,25.7) v2(168.66,17.37) v2(168.66,13.72) v2(168.76,57.61) v2(168.86,36.68) v2(168.86,24.54) v2(168.86,23.37) v2(168.86,22.05) v2(168.86,20.93) v2(168.96,82.5) v2(169.06,28.85) v2(169.06,1.63) v2(169.16,27.23) v2(169.27,105.77) v2(169.37,108.61) v2(169.47,112.67) v2(169.47,100.38) v2(169.47,97.03) v2(169.47,91.74) v2(169.47,88.29) v2(169.47,43.08) v2(169.47,10.26) v2(169.57,70.61) v2(169.67,80.37) v2(169.77,51.61) v2(169.77,16.66) v2(169.77,15.95) v2(169.77,15.04) v2(169.77,14.33) v2(169.88,65.63) v2(169.88,47.24) v2(170.08,67.26) v2(170.08,62.79) v2(170.08,36.78) v2(170.08,3.96) v2(170.18,78.03) v2(170.18,74.78) v2(170.28,55.78) v2(170.28,20.02) v2(170.48,25.7) v2(170.69,114.4) v2(170.99,121.31) v2(171.2,20.12) v2(171.3,82.91) v2(171.4,42.11) v2(171.7,23.88) v2(171.7,22.96) v2(171.81,21.74) v2(171.81,20.88) v2(171.91,85.14) v2(172.11,108.61) v2(172.11,74.78) v2(172.11,66.14) v2(172.11,58.72) v2(172.21,113.08) v2(172.31,29.01) v2(172.42,16.36) v2(172.52,51.05) v2(172.92,114) v2(173.02,32.51) v2(173.13,109.93) v2(173.33,94.79) v2(173.33,87.38) v2(173.43,118.47) v2(173.43,24.79) v2(173.74,67.87) v2(173.84,73.15) v2(173.84,62.38) v2(173.84,57.2) v2(173.94,79.35) v2(174.14,12.4) v2(174.24,106.88) v2(174.24,105.46) v2(174.65,113.08) v2(174.65,109.83) v2(175.16,60.76) v2(175.36,25.4) v2(175.46,44.81) v2(175.46,22.25) v2(175.56,35.26) v2(175.67,84.84) v2(175.77,77.72) v2(175.77,63.7) v2(175.77,54.15) v2(175.77,40.44) v2(175.87,114.2) v2(175.87,89.31) v2(175.87,72.44) v2(175.87,30.07) v2(175.97,57.81) v2(175.97,49.17) v2(176.07,104.55) v2(176.07,101.4) v2(176.17,67.97) v2(176.17,16.36) v2(176.28,120.29) v2(176.28,108.61) v2(176.48,97.94) v2(176.48,93.07)
